# KiCad board Kimiro.kicad_pcb (continued)
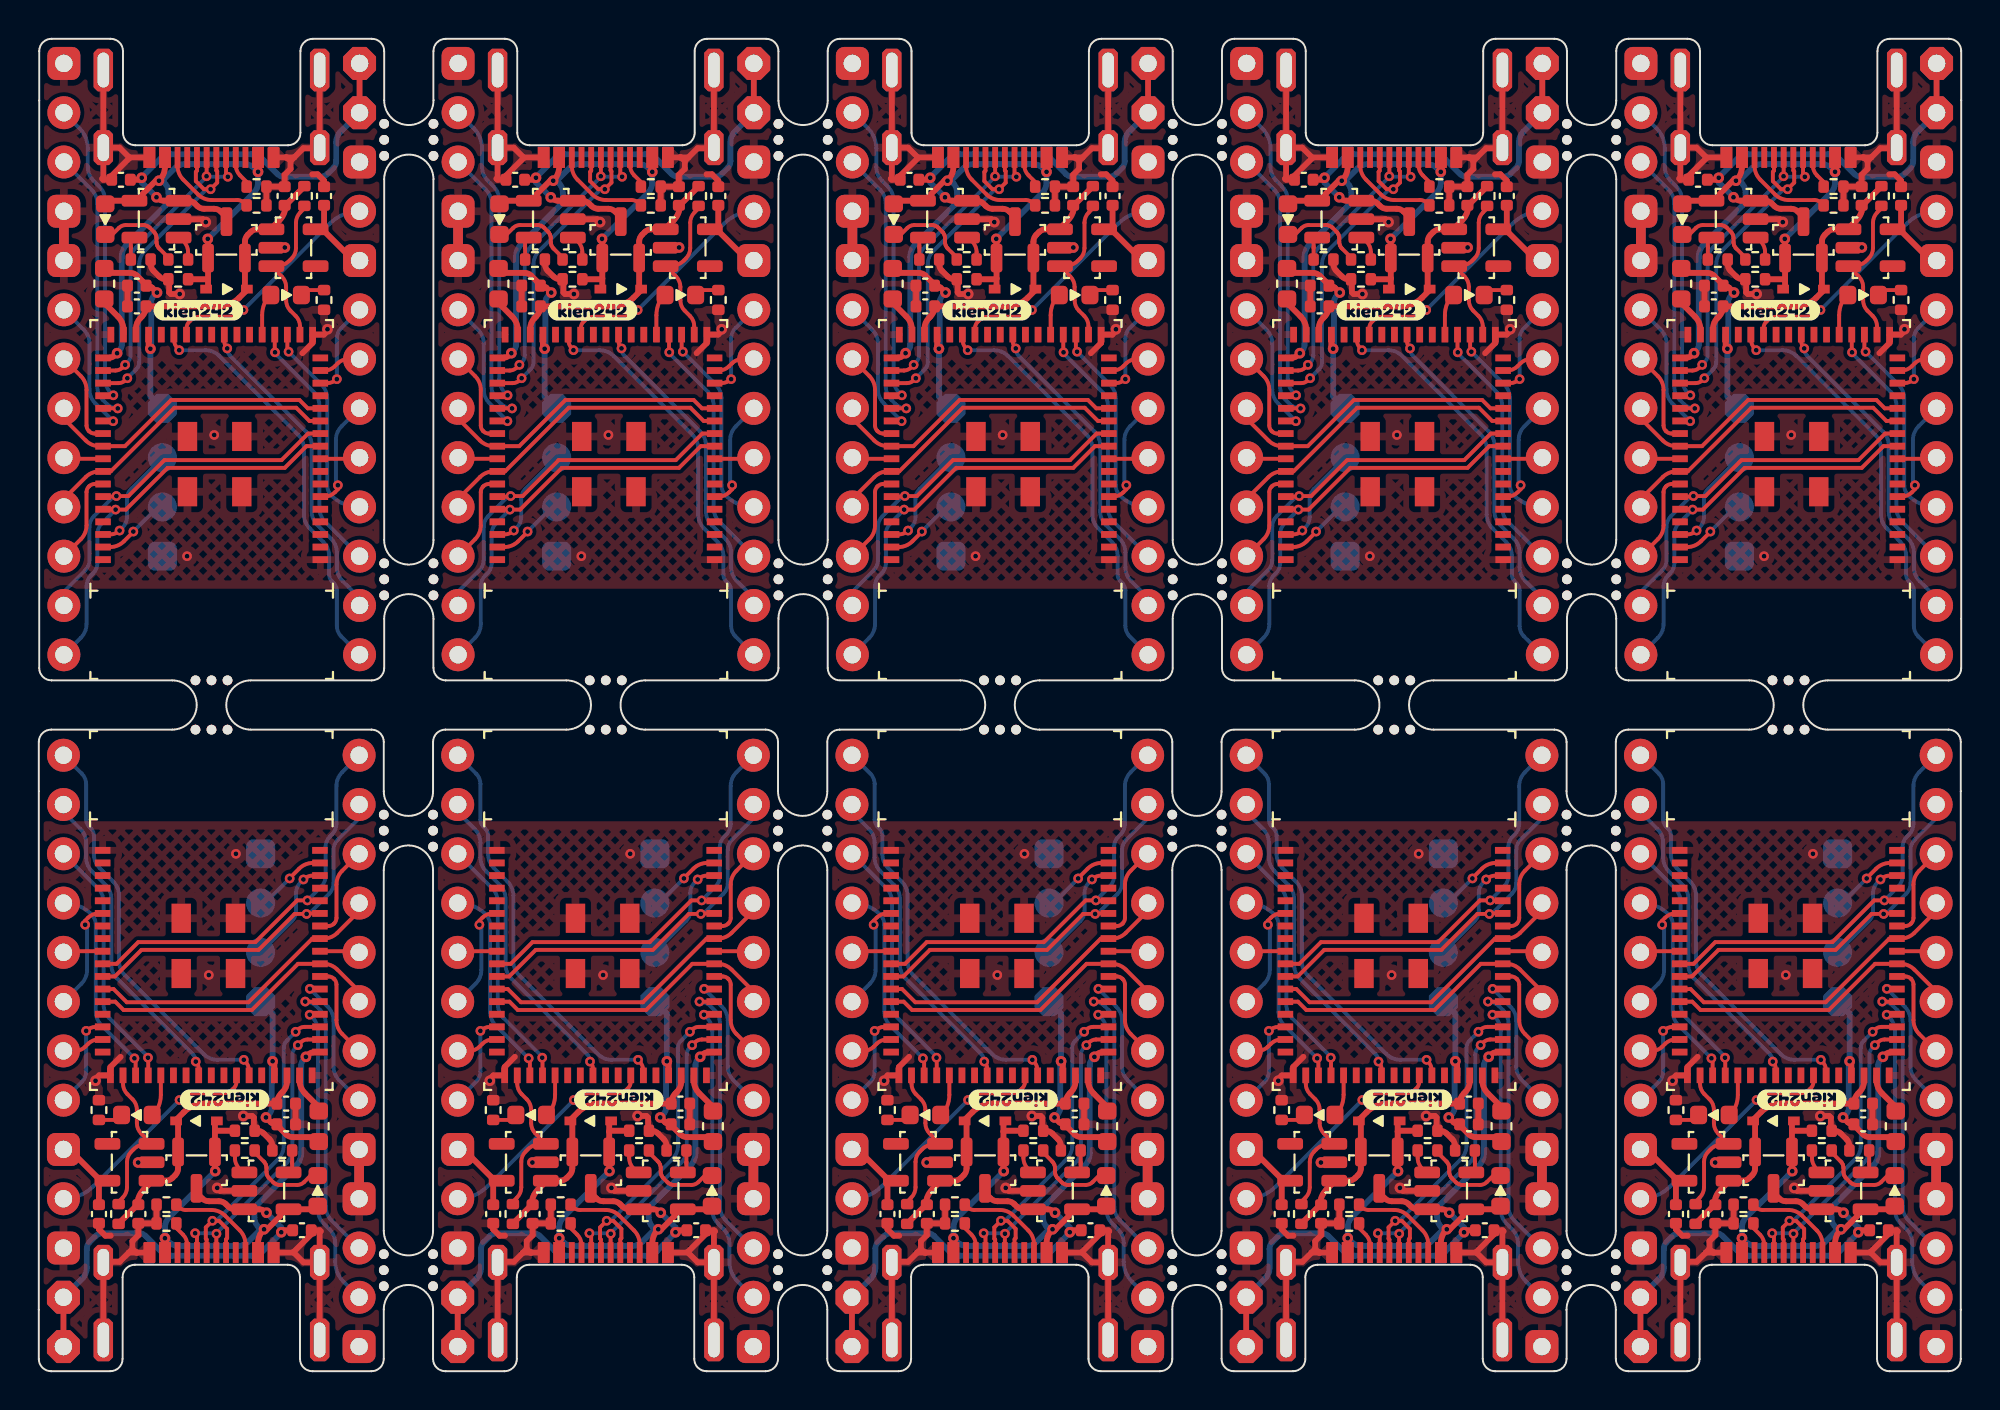
[diagram p0: board, top side]
## Routing (per net, layer and track width the routed paths; a pad name or vN(x,y) marks a point on that pad's centre or on a via; arc(x,y) is an arc through that point) (continued)
VDD: length 103.3
  Top w0.3: U25.31 86.94,52.8 v1(87.03,52.7) ; U18.31 73.1,15.89 v1(73.01,15.98) ; v1(5.75,52.7) 5.66,52.8 U3#2.31 ; v1(72.67,13.08) 72.67,13.08 72.93,12.83 arc(73.07,12.75) C32.1 73.23,12.68 73.7,12.21 arc(73.86,12.1) 74.05,12.07 75.16,12.07 L6.2 ; L2.2 34.52,12.07 33.41,12.07 arc(33.22,12.1) 33.06,12.21 32.59,12.68 C13.1 arc(32.43,12.75) 32.29,12.83 32.03,13.08 v1(32.03,13.08) ; v1(46.73,55.6) 46.73,55.6 46.47,55.86 arc(46.33,55.93) C23.1 46.17,56 45.7,56.47 arc(45.54,56.58) 45.35,56.62 44.24,56.62 L5.2 ; v1(87.37,55.6) 87.37,55.6 87.11,55.86 arc(86.97,55.93) C43.1 86.81,56 86.34,56.47 arc(86.18,56.58) 85.99,56.62 84.88,56.62 L9.2 ; L1#2.2 14.2,12.07 13.09,12.07 arc(12.9,12.1) 12.74,12.21 12.27,12.68 C7#2.1 arc(12.11,12.75) 11.97,12.83 11.71,13.08 v1(11.71,13.08) ; U7.31 25.98,52.8 v1(26.07,52.7) ; v1(92.99,13.08) 92.99,13.08 93.25,12.83 arc(93.39,12.75) C42.1 93.55,12.68 94.02,12.21 arc(94.18,12.1) 94.37,12.07 95.48,12.07 L8.2 ; U19.31 66.62,52.8 v1(66.71,52.7) ; v1(6.09,55.6) 6.09,55.6 5.83,55.86 arc(5.69,55.93) C7.1 5.53,56 5.06,56.47 arc(4.9,56.58) 4.71,56.62 3.6,56.62 L1.2 ; v1(12.05,15.98) 12.14,15.89 U3.31 ; L4.2 54.84,12.07 53.73,12.07 arc(53.54,12.1) 53.38,12.21 52.91,12.68 C22.1 arc(52.75,12.75) 52.61,12.83 52.35,13.08 v1(52.35,13.08) ; U12.31 52.78,15.89 v1(52.69,15.98) ; U24.31 93.42,15.89 v1(93.33,15.98) ; U6.31 32.46,15.89 v1(32.37,15.98) ; v1(46.39,52.7) 46.3,52.8 U13.31 ; v1(67.05,55.6) 67.05,55.6 66.79,55.86 arc(66.65,55.93) C33.1 66.49,56 66.02,56.47 arc(65.86,56.58) 65.67,56.62 64.56,56.62 L7.2 ; L3.2 23.92,56.62 25.03,56.62 arc(25.22,56.58) 25.38,56.47 25.85,56 C14.1 arc(26.01,55.93) 26.15,55.86 26.41,55.6 v1(26.41,55.6)
  Bottom w0.3: v1(52.35,13.08) 52.5,13.23 arc(52.61,13.4) 52.65,13.59 52.65,15.94 v1(52.69,15.98) 52.69,18.43 J13.4 ; v1(87.37,55.6) 87.22,55.45 arc(87.11,55.29) 87.07,55.09 87.07,52.75 v1(87.03,52.7) 87.03,50.25 J30.4 ; v1(26.41,55.6) 26.26,55.45 arc(26.15,55.29) 26.11,55.09 26.11,52.75 v1(26.07,52.7) 26.07,50.25 J6.4 ; J29.4 93.33,18.43 v1(93.33,15.98) 93.29,15.94 93.29,13.59 arc(93.25,13.4) 93.14,13.23 v1(92.99,13.08) ; J5.4 32.37,18.43 v1(32.37,15.98) 32.33,15.94 32.33,13.59 arc(32.29,13.4) 32.18,13.23 v1(32.03,13.08) ; v1(46.73,55.6) 46.58,55.45 arc(46.47,55.29) 46.43,55.09 46.43,52.75 v1(46.39,52.7) 46.39,50.25 J14.4 ; J21.4 73.01,18.43 v1(73.01,15.98) 72.97,15.94 72.97,13.59 arc(72.93,13.4) 72.82,13.23 v1(72.67,13.08) ; v1(67.05,55.6) 66.9,55.45 arc(66.79,55.29) 66.75,55.09 66.75,52.75 v1(66.71,52.7) 66.71,50.25 J22.4 ; v1(6.09,55.6) 5.94,55.45 arc(5.83,55.29) 5.79,55.09 5.79,52.75 v1(5.75,52.7) 5.75,50.25 J1#2.4 ; J1.4 12.05,18.43 v1(12.05,15.98) 12.01,15.94 12.01,13.59 arc(11.97,13.4) 11.86,13.23 v1(11.71,13.08)
VDDH: length 143.1
  Top w0.3: 66.82,9.82 66.37,9.37 arc(66.13,9) 66.04,8.57 65.08,7.62 64.97,7.62 ; U20.1 67.5,9.82 arc(67.69,9.86) 67.85,9.97 67.99,10.1 arc(68.1,10.27) 68.14,10.46 Q6.2 68.14,12.85 68.04,12.95 68.44,13.35 arc(68.92,13.68) 69.5,13.79 C34.1 arc(73.29,14.08) 73.45,14.32 73.53,14.4 arc(73.69,14.64) 73.75,14.93 U18.32 ; U6.32 33.11,14.93 arc(33.05,14.64) 32.89,14.4 32.81,14.32 arc(32.65,14.08) C15.1 28.86,13.79 arc(28.28,13.68) 27.8,13.35 27.4,12.95 27.5,12.85 Q2.2 27.5,10.46 arc(27.46,10.27) 27.35,10.1 27.21,9.97 arc(27.05,9.86) 26.86,9.82 U8.1 ; U24.32 94.07,14.93 arc(94.01,14.64) 93.85,14.4 93.77,14.32 arc(93.61,14.08) C44.1 89.82,13.79 arc(89.24,13.68) 88.76,13.35 88.36,12.95 88.46,12.85 Q8.2 88.46,10.46 arc(88.42,10.27) 88.31,10.1 88.17,9.97 arc(88.01,9.86) 87.82,9.82 U26.1 ; 11.94,58.86 12.39,59.32 arc(12.64,59.68) 12.72,60.11 13.68,61.06 13.79,61.06 ; 46.5,9.82 46.05,9.37 arc(45.81,9) 45.72,8.57 44.76,7.62 44.65,7.62 ; U14.1 47.18,9.82 arc(47.37,9.86) 47.53,9.97 47.67,10.1 arc(47.78,10.27) 47.82,10.46 Q4.2 47.82,12.85 47.72,12.95 48.12,13.35 arc(48.6,13.68) 49.18,13.79 C24.1 arc(52.97,14.08) 53.13,14.32 53.21,14.4 arc(53.37,14.64) 53.43,14.93 U12.32 ; U9.1 31.58,58.86 arc(31.39,58.82) 31.23,58.72 31.09,58.58 arc(30.98,58.41) 30.94,58.22 Q3.2 30.94,55.83 31.04,55.73 30.64,55.33 arc(30.16,55) 29.58,54.89 C16.1 arc(25.79,54.61) 25.63,54.36 25.55,54.28 arc(25.39,54.04) 25.33,53.75 U7.32 ; U15.1 51.9,58.86 arc(51.71,58.82) 51.55,58.72 51.41,58.58 arc(51.3,58.41) 51.26,58.22 Q5.2 51.26,55.83 51.36,55.73 50.96,55.33 arc(50.48,55) 49.9,54.89 C25.1 arc(46.11,54.61) 45.95,54.36 45.87,54.28 arc(45.71,54.04) 45.65,53.75 U13.32 ; 87.14,9.82 86.69,9.37 arc(86.45,9) 86.36,8.57 85.4,7.62 85.29,7.62 ; U25.32 86.29,53.75 arc(86.35,54.04) 86.51,54.28 86.59,54.36 arc(86.75,54.61) C45.1 90.54,54.89 arc(91.12,55) 91.6,55.33 92,55.73 91.9,55.83 Q9.2 91.9,58.22 arc(91.94,58.41) 92.05,58.58 92.19,58.72 arc(92.35,58.82) 92.54,58.86 U27.1 ; U4.1 6.54,9.82 arc(6.73,9.86) 6.89,9.97 7.03,10.1 arc(7.14,10.27) 7.18,10.46 Q1#2.2 7.18,12.85 7.08,12.95 7.48,13.35 arc(7.96,13.68) 8.54,13.79 C8.1 arc(12.33,14.08) 12.49,14.32 12.57,14.4 arc(12.73,14.64) 12.79,14.93 U3.32 ; 74.75,61.06 74.64,61.06 73.68,60.11 arc(73.6,59.68) 73.35,59.32 72.9,58.86 ; U19.32 65.97,53.75 arc(66.03,54.04) 66.19,54.28 66.27,54.36 arc(66.43,54.61) C35.1 70.22,54.89 arc(70.8,55) 71.28,55.33 71.68,55.73 71.58,55.83 Q7.2 71.58,58.22 arc(71.62,58.41) 71.73,58.58 71.87,58.72 arc(72.03,58.82) 72.22,58.86 U21.1 ; 54.43,61.06 54.32,61.06 53.36,60.11 arc(53.28,59.68) 53.03,59.32 52.58,58.86 ; U4#2.1 11.26,58.86 arc(11.07,58.82) 10.91,58.72 10.77,58.58 arc(10.66,58.41) 10.62,58.22 Q1.2 10.62,55.83 10.72,55.73 10.32,55.33 arc(9.84,55) 9.26,54.89 C8#2.1 arc(5.47,54.61) 5.31,54.36 5.23,54.28 arc(5.07,54.04) 5.01,53.75 U3#2.32 ; 95.07,61.06 94.96,61.06 94,60.11 arc(93.92,59.68) 93.67,59.32 93.22,58.86 ; 4.01,7.62 4.12,7.62 5.08,8.57 arc(5.17,9) 5.41,9.37 5.86,9.82 ; 26.18,9.82 25.73,9.37 arc(25.49,9) 25.4,8.57 24.44,7.62 24.33,7.62 ; 32.26,58.86 32.71,59.32 arc(32.96,59.68) 33.04,60.11 34,61.06 34.11,61.06
002: length 20.4
  Top w0.2: U19.9 77.43,47.03 J28.9 ; J11.9 21.65,21.65 U6.9 ; U3.9 1.33,21.65 J4.9 ; U25.9 97.75,47.03 J36.9 ; J12.9 36.79,47.03 U7.9 ; U3#2.9 16.47,47.03 J4#2.9 ; U12.9 41.97,21.65 J19.9 ; U24.9 82.61,21.65 J35.9 ; U13.9 57.11,47.03 J20.9 ; U18.9 62.29,21.65 J27.9
003: length 57
  Top w0.2: U7.6 35.05,45.08 arc(35.33,45.14) 35.58,45.3 35.73,45.46 v2(35.73,45.67) ; v2(56.05,45.67) 56.05,45.46 55.9,45.3 arc(55.65,45.14) 55.37,45.08 U13.6 ; U24.6 84.36,23.6 arc(84.07,23.54) 83.83,23.38 83.67,23.22 v2(83.67,23.01) ; v2(2.39,23.01) 2.39,23.22 2.55,23.38 arc(2.79,23.54) 3.08,23.6 U3.6 ; v2(15.41,45.67) 15.41,45.46 15.26,45.3 arc(15.01,45.14) 14.73,45.08 U3#2.6 ; v2(63.35,23.01) 63.35,23.22 63.51,23.38 arc(63.75,23.54) 64.04,23.6 U18.6 ; v2(22.71,23.01) 22.71,23.22 22.87,23.38 arc(23.11,23.54) 23.4,23.6 U6.6 ; v2(76.37,45.67) 76.37,45.46 76.22,45.3 arc(75.97,45.14) 75.69,45.08 U19.6 ; v2(96.69,45.67) 96.69,45.46 96.54,45.3 arc(96.29,45.14) 96.01,45.08 U25.6 ; v2(43.03,23.01) 43.03,23.22 43.19,23.38 arc(43.43,23.54) 43.72,23.6 U12.6
  Bottom w0.2: J4.8 2.2,19.98 arc(2.41,20.3) 2.49,20.68 2.49,22.91 v2(2.39,23.01) ; J28.8 76.56,48.71 arc(76.35,48.38) 76.27,48 76.27,45.77 v2(76.37,45.67) ; J19.8 42.84,19.98 arc(43.05,20.3) 43.13,20.68 43.13,22.91 v2(43.03,23.01) ; J36.8 96.88,48.71 arc(96.67,48.38) 96.59,48 96.59,45.77 v2(96.69,45.67) ; J4#2.8 15.6,48.71 arc(15.39,48.38) 15.31,48 15.31,45.77 v2(15.41,45.67) ; J12.8 35.92,48.71 arc(35.71,48.38) 35.63,48 35.63,45.77 v2(35.73,45.67) ; J20.8 56.24,48.71 arc(56.03,48.38) 55.95,48 55.95,45.77 v2(56.05,45.67) ; v2(83.67,23.01) 83.77,22.91 83.77,20.68 arc(83.69,20.3) 83.48,19.98 J35.8 ; J27.8 63.16,19.98 arc(63.37,20.3) 63.45,20.68 63.45,22.91 v2(63.35,23.01) ; v2(22.71,23.01) 22.81,22.91 22.81,20.68 arc(22.73,20.3) 22.52,19.98 J11.8
004: length 22
  Top w0.2: U19.16 75.69,51.58 arc(75.97,51.64) 76.22,51.8 76.37,51.95 arc(76.61,52.11) 76.9,52.17 J28.7 ; J19.7 42.51,16.51 arc(42.79,16.57) 43.04,16.73 43.19,16.88 arc(43.43,17.04) 43.72,17.1 U12.16 ; U3.16 3.08,17.1 arc(2.79,17.04) 2.55,16.88 2.4,16.73 arc(2.15,16.57) 1.87,16.51 J4.7 ; J36.7 97.22,52.17 arc(96.93,52.11) 96.69,51.95 96.54,51.8 arc(96.29,51.64) 96.01,51.58 U25.16 ; U7.16 35.05,51.58 arc(35.33,51.64) 35.58,51.8 35.73,51.95 arc(35.97,52.11) 36.26,52.17 J12.7 ; J11.7 22.19,16.51 arc(22.47,16.57) 22.72,16.73 22.87,16.88 arc(23.11,17.04) 23.4,17.1 U6.16 ; U18.16 64.04,17.1 arc(63.75,17.04) 63.51,16.88 63.36,16.73 arc(63.11,16.57) 62.83,16.51 J27.7 ; U24.16 84.36,17.1 arc(84.07,17.04) 83.83,16.88 83.68,16.73 arc(83.43,16.57) 83.15,16.51 J35.7 ; J20.7 56.58,52.17 arc(56.29,52.11) 56.05,51.95 55.9,51.8 arc(55.65,51.64) 55.37,51.58 U13.16 ; J4#2.7 15.94,52.17 arc(15.65,52.11) 15.41,51.95 15.26,51.8 arc(15.01,51.64) 14.73,51.58 U3#2.16
005: length 49.3
  Top w0.2: U3.15 2.94,17.75 arc(2.67,17.7) v2(2.44,17.54) ; U12.15 43.58,17.75 arc(43.31,17.7) v2(43.08,17.54) ; U19.15 75.82,50.93 arc(76.09,50.99) v2(76.32,51.14) ; U13.15 55.5,50.93 arc(55.77,50.99) v2(56,51.14) ; U6.15 23.26,17.75 arc(22.99,17.7) v2(22.76,17.54) ; U24.15 84.22,17.75 arc(83.95,17.7) v2(83.72,17.54) ; U3#2.15 14.86,50.93 arc(15.13,50.99) v2(15.36,51.14) ; U7.15 35.18,50.93 arc(35.45,50.99) v2(35.68,51.14) ; U25.15 96.14,50.93 arc(96.41,50.99) v2(96.64,51.14) ; U18.15 63.9,17.75 arc(63.63,17.7) v2(63.4,17.54)
  Bottom w0.2: v2(15.36,51.14) 15.36,53.23 arc(15.42,53.52) 15.58,53.76 J4#2.6 ; J27.6 63.18,14.92 arc(63.34,15.16) 63.4,15.45 v2(63.4,17.54) ; v2(56,51.14) 56,53.23 arc(56.06,53.52) 56.22,53.76 J20.6 ; v2(96.64,51.14) 96.64,53.23 arc(96.7,53.52) 96.86,53.76 J36.6 ; J35.6 83.5,14.92 arc(83.66,15.16) 83.72,15.45 v2(83.72,17.54) ; J28.6 76.54,53.76 arc(76.38,53.52) 76.32,53.23 v2(76.32,51.14) ; v2(2.44,17.54) 2.44,15.45 arc(2.38,15.16) 2.22,14.92 J4.6 ; v2(43.08,17.54) 43.08,15.45 arc(43.02,15.16) 42.86,14.92 J19.6 ; v2(35.68,51.14) 35.68,53.23 arc(35.74,53.52) 35.9,53.76 J12.6 ; v2(22.76,17.54) 22.76,15.45 arc(22.7,15.16) 22.54,14.92 J11.6
006: length 107.7
  Top w0.2: v2(12.87,52.55) 12.81,52.62 U3#2.20 ; v2(25.25,16.13) 25.31,16.07 U6.20 ; v2(86.21,16.13) 86.27,16.07 U24.20 ; U13.20 53.45,52.62 v2(53.51,52.55) ; v2(65.89,16.13) 65.95,16.07 U18.20 ; v2(94.15,52.55) 94.09,52.62 U25.20 ; v2(33.19,52.55) 33.13,52.62 U7.20 ; U3.20 4.99,16.07 v2(4.93,16.13) ; v2(45.57,16.13) 45.63,16.07 U12.20 ; U19.20 73.77,52.62 v2(73.83,52.55)
  Bottom w0.2: v2(45.57,16.13) 43.87,17.83 arc(43.65,18.15) 43.58,18.53 43.58,23.02 arc(43.52,23.3) 43.36,23.55 arc(42.71,23.98) 41.95,24.13 J19.10 ; v2(33.19,52.55) 34.89,50.86 arc(35.11,50.53) 35.18,50.15 35.18,45.67 arc(35.24,45.38) 35.4,45.14 arc(36.05,44.7) 36.81,44.55 J12.10 ; J27.10 62.27,24.13 arc(63.03,23.98) 63.68,23.55 arc(63.84,23.3) 63.9,23.02 63.9,18.53 arc(63.97,18.15) 64.19,17.83 v2(65.89,16.13) ; v2(94.15,52.55) 95.85,50.86 arc(96.07,50.53) 96.14,50.15 96.14,45.67 arc(96.2,45.38) 96.36,45.14 arc(97.01,44.7) 97.77,44.55 J36.10 ; v2(73.83,52.55) 75.53,50.86 arc(75.75,50.53) 75.82,50.15 75.82,45.67 arc(75.88,45.38) 76.04,45.14 arc(76.69,44.7) 77.45,44.55 J28.10 ; v2(12.87,52.55) 14.57,50.86 arc(14.79,50.53) 14.86,50.15 14.86,45.67 arc(14.92,45.38) 15.08,45.14 arc(15.73,44.7) 16.49,44.55 J4#2.10 ; J4.10 1.31,24.13 arc(2.07,23.98) 2.72,23.55 arc(2.88,23.3) 2.94,23.02 2.94,18.53 arc(3.01,18.15) 3.23,17.83 v2(4.93,16.13) ; v2(25.25,16.13) 23.55,17.83 arc(23.33,18.15) 23.26,18.53 23.26,23.02 arc(23.2,23.3) 23.04,23.55 arc(22.39,23.98) 21.63,24.13 J11.10 ; J35.10 82.59,24.13 arc(83.35,23.98) 84,23.55 arc(84.16,23.3) 84.22,23.02 84.22,18.53 arc(84.29,18.15) 84.51,17.83 v2(86.21,16.13) ; v2(53.51,52.55) 55.21,50.86 arc(55.43,50.53) 55.5,50.15 55.5,45.67 arc(55.56,45.38) 55.72,45.14 arc(56.37,44.7) 57.13,44.55 J20.10
008: length 166.3
  Top w0.2: U24.25 89.52,15.6 arc(89.48,15.79) 89.37,15.96 v2(89.37,15.96) ; v2(90.99,52.72) 90.99,52.73 arc(90.88,52.89) 90.84,53.08 U25.25 ; v2(9.71,52.72) 9.71,52.73 arc(9.6,52.89) 9.56,53.08 U3#2.25 ; v2(50.35,52.72) 50.35,52.73 arc(50.24,52.89) 50.2,53.08 U13.25 ; v2(70.67,52.72) 70.67,52.73 arc(70.56,52.89) 70.52,53.08 U19.25 ; U3.25 8.24,15.6 arc(8.2,15.79) 8.09,15.96 v2(8.09,15.96) ; v2(69.05,15.96) 69.05,15.96 arc(69.16,15.79) 69.2,15.6 U18.25 ; U6.25 28.56,15.6 arc(28.52,15.79) 28.41,15.96 v2(28.41,15.96) ; v2(30.03,52.72) 30.03,52.73 arc(29.92,52.89) 29.88,53.08 U7.25 ; v2(48.73,15.96) 48.73,15.96 arc(48.84,15.79) 48.88,15.6 U12.25
  Bottom w0.2: J36.12 97.81,39.86 96.94,40.73 arc(96.72,41.06) 96.64,41.44 96.64,42.2 arc(96.57,42.58) 96.35,42.91 95.64,43.62 arc(95.42,43.95) 95.34,44.33 95.34,47.73 arc(95.27,48.11) 95.05,48.43 91.14,52.35 arc(91.03,52.51) 90.99,52.7 v2(90.99,52.72) ; v2(50.35,52.72) 50.35,52.7 arc(50.39,52.51) 50.5,52.35 54.41,48.43 arc(54.63,48.11) 54.7,47.73 54.7,44.33 arc(54.78,43.95) 55,43.62 55.71,42.91 arc(55.93,42.58) 56,42.2 56,41.44 arc(56.08,41.06) 56.3,40.73 57.17,39.86 J20.12 ; v2(9.71,52.72) 9.71,52.7 arc(9.75,52.51) 9.86,52.35 13.77,48.43 arc(13.99,48.11) 14.06,47.73 14.06,44.33 arc(14.14,43.95) 14.36,43.62 15.07,42.91 arc(15.29,42.58) 15.36,42.2 15.36,41.44 arc(15.44,41.06) 15.66,40.73 16.53,39.86 J4#2.12 ; J4.12 1.27,28.83 2.15,27.95 arc(2.36,27.63) 2.44,27.24 2.44,26.48 arc(2.51,26.1) 2.73,25.77 3.44,25.06 arc(3.66,24.74) 3.74,24.35 3.74,20.95 arc(3.81,20.57) 4.03,20.25 7.94,16.34 arc(8.05,16.17) 8.09,15.98 v2(8.09,15.96) ; J11.12 21.59,28.83 22.47,27.95 arc(22.68,27.63) 22.76,27.24 22.76,26.48 arc(22.83,26.1) 23.05,25.77 23.76,25.06 arc(23.98,24.74) 24.06,24.35 24.06,20.95 arc(24.13,20.57) 24.35,20.25 28.26,16.34 arc(28.37,16.17) 28.41,15.98 v2(28.41,15.96) ; J19.12 41.91,28.83 42.79,27.95 arc(43,27.63) 43.08,27.24 43.08,26.48 arc(43.15,26.1) 43.37,25.77 44.08,25.06 arc(44.3,24.74) 44.38,24.35 44.38,20.95 arc(44.45,20.57) 44.67,20.25 48.58,16.34 arc(48.69,16.17) 48.73,15.98 v2(48.73,15.96) ; J35.12 82.55,28.83 83.43,27.95 arc(83.64,27.63) 83.72,27.24 83.72,26.48 arc(83.79,26.1) 84.01,25.77 84.72,25.06 arc(84.94,24.74) 85.02,24.35 85.02,20.95 arc(85.09,20.57) 85.31,20.25 89.22,16.34 arc(89.33,16.17) 89.37,15.98 v2(89.37,15.96) ; J12.12 36.85,39.86 35.98,40.73 arc(35.76,41.06) 35.68,41.44 35.68,42.2 arc(35.61,42.58) 35.39,42.91 34.68,43.62 arc(34.46,43.95) 34.38,44.33 34.38,47.73 arc(34.31,48.11) 34.09,48.43 30.18,52.35 arc(30.07,52.51) 30.03,52.7 v2(30.03,52.72) ; v2(70.67,52.72) 70.67,52.7 arc(70.71,52.51) 70.82,52.35 74.73,48.43 arc(74.95,48.11) 75.02,47.73 75.02,44.33 arc(75.1,43.95) 75.32,43.62 76.03,42.91 arc(76.25,42.58) 76.32,42.2 76.32,41.44 arc(76.4,41.06) 76.62,40.73 77.49,39.86 J28.12 ; v2(69.05,15.96) 69.05,15.98 arc(69.01,16.17) 68.9,16.34 64.99,20.25 arc(64.77,20.57) 64.7,20.95 64.7,24.35 arc(64.62,24.74) 64.4,25.06 63.69,25.77 arc(63.47,26.1) 63.4,26.48 63.4,27.24 arc(63.32,27.63) 63.11,27.95 62.23,28.83 J27.12
013: length 146.9
  Top w0.2: U25.39 85.35,49.63 v2(85.35,49.63) ; v2(74.69,19.05) 74.69,19.05 U18.39 ; v2(95.01,19.05) 95.01,19.05 U24.39 ; U12.39 54.37,19.05 v2(54.37,19.05) ; v2(13.73,19.05) 13.73,19.05 U3.39 ; U3#2.39 4.07,49.63 v2(4.07,49.63) ; v2(24.39,49.63) 24.39,49.63 U7.39 ; v2(34.05,19.05) 34.05,19.05 U6.39 ; U19.39 65.03,49.63 v2(65.03,49.63) ; U13.39 44.71,49.63 v2(44.71,49.63)
  Bottom w0.2: J3.3 15.08,7.78 arc(14.87,8.1) 14.79,8.49 14.79,17.91 arc(14.71,18.29) 14.5,18.62 14.3,18.82 arc(14.04,18.99) v2(13.73,19.05) ; J9.3 35.4,7.78 arc(35.19,8.1) 35.11,8.49 35.11,17.91 arc(35.03,18.29) 34.82,18.62 34.62,18.82 arc(34.36,18.99) v2(34.05,19.05) ; J33.3 96.36,7.78 arc(96.15,8.1) 96.07,8.49 96.07,17.91 arc(95.99,18.29) 95.78,18.62 95.58,18.82 arc(95.32,18.99) v2(95.01,19.05) ; J18.3 43.36,60.9 arc(43.58,60.58) 43.65,60.2 43.65,50.77 arc(43.73,50.39) 43.94,50.06 44.15,49.86 arc(44.4,49.69) v2(44.71,49.63) ; J17.3 55.72,7.78 arc(55.51,8.1) 55.43,8.49 55.43,17.91 arc(55.35,18.29) 55.14,18.62 54.94,18.82 arc(54.68,18.99) v2(54.37,19.05) ; J34.3 84,60.9 arc(84.22,60.58) 84.29,60.2 84.29,50.77 arc(84.37,50.39) 84.58,50.06 84.79,49.86 arc(85.04,49.69) v2(85.35,49.63) ; J26.3 63.68,60.9 arc(63.9,60.58) 63.97,60.2 63.97,50.77 arc(64.05,50.39) 64.26,50.06 64.47,49.86 arc(64.72,49.69) v2(65.03,49.63) ; J25.3 76.04,7.78 arc(75.83,8.1) 75.75,8.49 75.75,17.91 arc(75.67,18.29) 75.46,18.62 75.26,18.82 arc(75,18.99) v2(74.69,19.05) ; J3#2.3 2.72,60.9 arc(2.94,60.58) 3.01,60.2 3.01,50.77 arc(3.09,50.39) 3.3,50.06 3.51,49.86 arc(3.76,49.69) v2(4.07,49.63) ; J10.3 23.04,60.9 arc(23.26,60.58) 23.33,60.2 23.33,50.77 arc(23.41,50.39) 23.62,50.06 23.83,49.86 arc(24.08,49.69) v2(24.39,49.63)
015: length 72.3
  Top w0.2: U18.40 74.94,19.7 v2(74.93,19.71) ; U12.40 54.62,19.7 v2(54.61,19.71) ; v2(44.47,48.97) 44.46,48.98 U13.40 ; U3.40 13.98,19.7 v2(13.97,19.71) ; v2(95.25,19.71) 95.26,19.7 U24.40 ; v2(3.83,48.97) 3.82,48.98 U3#2.40 ; v2(34.29,19.71) 34.3,19.7 U6.40 ; v2(24.15,48.97) 24.14,48.98 U7.40 ; v2(64.79,48.97) 64.78,48.98 U19.40 ; v2(85.11,48.97) 85.1,48.98 U25.40
  Bottom w0.2: v2(3.83,48.97) 2.9,49.9 arc(2.69,50.22) 2.61,50.6 2.61,52.98 arc(2.54,53.36) 2.32,53.68 J3#2.6 ; J3.6 15.48,15 arc(15.27,15.32) 15.19,15.71 15.19,18.08 arc(15.11,18.46) 14.9,18.78 v2(13.97,19.71) ; J34.6 83.6,53.68 arc(83.82,53.36) 83.89,52.98 83.89,50.6 arc(83.97,50.22) 84.18,49.9 v2(85.11,48.97) ; J10.6 22.64,53.68 arc(22.86,53.36) 22.93,52.98 22.93,50.6 arc(23.01,50.22) 23.22,49.9 v2(24.15,48.97) ; v2(64.79,48.97) 63.86,49.9 arc(63.65,50.22) 63.57,50.6 63.57,52.98 arc(63.5,53.36) 63.28,53.68 J26.6 ; v2(74.93,19.71) 75.86,18.78 arc(76.07,18.46) 76.15,18.08 76.15,15.71 arc(76.23,15.32) 76.44,15 J25.6 ; v2(34.29,19.71) 35.22,18.78 arc(35.43,18.46) 35.51,18.08 35.51,15.71 arc(35.59,15.32) 35.8,15 J9.6 ; v2(54.61,19.71) 55.54,18.78 arc(55.75,18.46) 55.83,18.08 55.83,15.71 arc(55.91,15.32) 56.12,15 J17.6 ; J33.6 96.76,15 arc(96.55,15.32) 96.47,15.71 96.47,18.08 arc(96.39,18.46) 96.18,18.78 v2(95.25,19.71) ; v2(44.47,48.97) 43.54,49.9 arc(43.33,50.22) 43.25,50.6 43.25,52.98 arc(43.18,53.36) 42.96,53.68 J18.6
016: length 212.2
  Top w0.2: U24.29 92.12,15.47 arc(92.06,15.75) 91.9,16 v2(91.85,16.05) ; U7.29 27.28,53.22 arc(27.34,52.93) 27.5,52.69 v2(27.56,52.63) ; U3#2.29 6.96,53.22 arc(7.02,52.93) 7.18,52.69 v2(7.24,52.63) ; v2(47.88,52.63) 47.82,52.69 arc(47.66,52.93) 47.6,53.22 U13.29 ; v2(71.53,16.05) 71.58,16 arc(71.74,15.75) 71.8,15.47 U18.29 ; U12.29 51.48,15.47 arc(51.42,15.75) 51.26,16 v2(51.21,16.05) ; U3.29 10.84,15.47 arc(10.78,15.75) 10.62,16 v2(10.57,16.05) ; v2(30.89,16.05) 30.94,16 arc(31.1,15.75) 31.16,15.47 U6.29 ; U19.29 67.92,53.22 arc(67.98,52.93) 68.14,52.69 v2(68.2,52.63) ; U25.29 88.24,53.22 arc(88.3,52.93) 88.46,52.69 v2(88.52,52.63)
  Bottom w0.2: v2(91.85,16.05) 91.84,16.05 90.49,16.05 arc(90.1,16.13) 89.78,16.35 85.71,20.41 arc(85.49,20.74) 85.42,21.12 85.42,24.52 arc(85.34,24.9) 85.12,25.23 84.41,25.94 arc(84.19,26.26) 84.12,26.65 84.12,27.62 arc(84.08,27.81) 83.97,27.97 83.87,28.07 arc(83.76,28.24) 83.72,28.43 83.72,30.27 arc(83.66,30.56) 83.5,30.8 J35.13 ; J36.13 96.86,37.88 arc(96.7,38.13) 96.64,38.41 96.64,40.25 arc(96.6,40.44) 96.49,40.61 96.39,40.71 arc(96.28,40.87) 96.24,41.07 96.24,42.03 arc(96.17,42.42) 95.95,42.74 95.24,43.45 arc(95.02,43.78) 94.94,44.16 94.94,47.56 arc(94.87,47.94) 94.65,48.27 90.58,52.34 arc(90.26,52.55) 89.88,52.63 88.52,52.63 v2(88.52,52.63) ; v2(27.56,52.63) 27.56,52.63 28.92,52.63 arc(29.3,52.55) 29.62,52.34 33.69,48.27 arc(33.91,47.94) 33.98,47.56 33.98,44.16 arc(34.06,43.78) 34.28,43.45 34.99,42.74 arc(35.21,42.42) 35.28,42.03 35.28,41.07 arc(35.32,40.87) 35.43,40.71 35.53,40.61 arc(35.64,40.44) 35.68,40.25 35.68,38.41 arc(35.74,38.13) 35.9,37.88 J12.13 ; J20.13 56.22,37.88 arc(56.06,38.13) 56,38.41 56,40.25 arc(55.96,40.44) 55.85,40.61 55.75,40.71 arc(55.64,40.87) 55.6,41.07 55.6,42.03 arc(55.53,42.42) 55.31,42.74 54.6,43.45 arc(54.38,43.78) 54.3,44.16 54.3,47.56 arc(54.23,47.94) 54.01,48.27 49.94,52.34 arc(49.62,52.55) 49.24,52.63 47.88,52.63 v2(47.88,52.63) ; J28.13 76.54,37.88 arc(76.38,38.13) 76.32,38.41 76.32,40.25 arc(76.28,40.44) 76.17,40.61 76.07,40.71 arc(75.96,40.87) 75.92,41.07 75.92,42.03 arc(75.85,42.42) 75.63,42.74 74.92,43.45 arc(74.7,43.78) 74.62,44.16 74.62,47.56 arc(74.55,47.94) 74.33,48.27 70.26,52.34 arc(69.94,52.55) 69.56,52.63 68.2,52.63 v2(68.2,52.63) ; v2(51.21,16.05) 51.2,16.05 49.85,16.05 arc(49.46,16.13) 49.14,16.35 45.07,20.41 arc(44.85,20.74) 44.78,21.12 44.78,24.52 arc(44.7,24.9) 44.48,25.23 43.77,25.94 arc(43.55,26.26) 43.48,26.65 43.48,27.62 arc(43.44,27.81) 43.33,27.97 43.23,28.07 arc(43.12,28.24) 43.08,28.43 43.08,30.27 arc(43.02,30.56) 42.86,30.8 J19.13 ; v2(30.89,16.05) 30.88,16.05 29.53,16.05 arc(29.14,16.13) 28.82,16.35 24.75,20.41 arc(24.53,20.74) 24.46,21.12 24.46,24.52 arc(24.38,24.9) 24.16,25.23 23.45,25.94 arc(23.23,26.26) 23.16,26.65 23.16,27.62 arc(23.12,27.81) 23.01,27.97 22.91,28.07 arc(22.8,28.24) 22.76,28.43 22.76,30.27 arc(22.7,30.56) 22.54,30.8 J11.13 ; v2(71.53,16.05) 71.52,16.05 70.17,16.05 arc(69.78,16.13) 69.46,16.35 65.39,20.41 arc(65.17,20.74) 65.1,21.12 65.1,24.52 arc(65.02,24.9) 64.8,25.23 64.09,25.94 arc(63.87,26.26) 63.8,26.65 63.8,27.62 arc(63.76,27.81) 63.65,27.97 63.55,28.07 arc(63.44,28.24) 63.4,28.43 63.4,30.27 arc(63.34,30.56) 63.18,30.8 J27.13 ; v2(10.57,16.05) 10.56,16.05 9.21,16.05 arc(8.82,16.13) 8.5,16.35 4.43,20.41 arc(4.21,20.74) 4.14,21.12 4.14,24.52 arc(4.06,24.9) 3.84,25.23 3.13,25.94 arc(2.91,26.26) 2.84,26.65 2.84,27.62 arc(2.8,27.81) 2.69,27.97 2.59,28.07 arc(2.48,28.24) 2.44,28.43 2.44,30.27 arc(2.38,30.56) 2.22,30.8 J4.13 ; v2(7.24,52.63) 7.24,52.63 8.6,52.63 arc(8.98,52.55) 9.3,52.34 13.37,48.27 arc(13.59,47.94) 13.66,47.56 13.66,44.16 arc(13.74,43.78) 13.96,43.45 14.67,42.74 arc(14.89,42.42) 14.96,42.03 14.96,41.07 arc(15,40.87) 15.11,40.71 15.21,40.61 arc(15.32,40.44) 15.36,40.25 15.36,38.41 arc(15.42,38.13) 15.58,37.88 J4#2.13
017: length 49.5
  Top w0.2: U18.41 75.88,20.35 arc(76.04,20.32) 76.17,20.23 76.18,20.21 arc(76.27,20.08) 76.3,19.93 76.3,18.09 arc(76.38,17.71) 76.59,17.39 J25.7 ; J10.7 22.49,51.3 arc(22.7,50.97) 22.78,50.59 22.78,48.75 arc(22.81,48.6) 22.9,48.47 22.91,48.45 arc(23.04,48.36) 23.2,48.33 U7.41 ; U12.41 55.56,20.35 arc(55.72,20.32) 55.85,20.23 55.86,20.21 arc(55.95,20.08) 55.98,19.93 55.98,18.09 arc(56.06,17.71) 56.27,17.39 J17.7 ; U25.41 84.16,48.33 arc(84,48.36) 83.87,48.45 83.86,48.47 arc(83.77,48.6) 83.74,48.75 83.74,50.59 arc(83.66,50.97) 83.45,51.3 J34.7 ; J26.7 63.13,51.3 arc(63.34,50.97) 63.42,50.59 63.42,48.75 arc(63.45,48.6) 63.54,48.47 63.55,48.45 arc(63.68,48.36) 63.84,48.33 U19.41 ; J3.7 15.63,17.39 arc(15.42,17.71) 15.34,18.09 15.34,19.93 arc(15.31,20.08) 15.22,20.21 15.21,20.23 arc(15.08,20.32) 14.92,20.35 U3.41 ; U3#2.41 2.88,48.33 arc(2.72,48.36) 2.59,48.45 2.58,48.47 arc(2.49,48.6) 2.46,48.75 2.46,50.59 arc(2.38,50.97) 2.17,51.3 J3#2.7 ; J33.7 96.91,17.39 arc(96.7,17.71) 96.62,18.09 96.62,19.93 arc(96.59,20.08) 96.5,20.21 96.49,20.23 arc(96.36,20.32) 96.2,20.35 U24.41 ; U13.41 43.52,48.33 arc(43.36,48.36) 43.23,48.45 43.22,48.47 arc(43.13,48.6) 43.1,48.75 43.1,50.59 arc(43.02,50.97) 42.81,51.3 J18.7 ; J9.7 35.95,17.39 arc(35.74,17.71) 35.66,18.09 35.66,19.93 arc(35.63,20.08) 35.54,20.21 35.53,20.23 arc(35.4,20.32) 35.24,20.35 U6.41
019: length 159.7
  Top w0.2: U6.38 34.79,18.38 v2(34.28,18.38) ; v2(85.12,50.3) 84.61,50.3 U25.38 ; v2(74.92,18.38) 75.43,18.38 U18.38 ; U12.38 55.11,18.38 v2(54.6,18.38) ; U3.38 14.47,18.38 v2(13.96,18.38) ; v2(24.16,50.3) 23.65,50.3 U7.38 ; v2(95.24,18.38) 95.75,18.38 U24.38 ; v2(64.8,50.3) 64.29,50.3 U19.38 ; U3#2.38 3.33,50.3 v2(3.84,50.3) ; U13.38 43.97,50.3 v2(44.48,50.3)
  Bottom w0.2: v2(64.8,50.3) 64.66,50.44 arc(64.45,50.76) 64.37,51.15 64.37,60.36 arc(64.3,60.74) 64.08,61.07 63.78,61.37 arc(63.56,61.69) 63.49,62.08 63.49,63.03 arc(63.37,63.59) 63.06,64.07 J26.2 ; v2(54.6,18.38) 54.74,18.24 arc(54.95,17.92) 55.03,17.53 55.03,8.32 arc(55.11,7.94) 55.32,7.61 55.62,7.31 arc(55.84,6.99) 55.92,6.6 55.92,5.65 arc(56.03,5.09) 56.34,4.62 J17.2 ; J10.2 22.42,64.07 arc(22.73,63.59) 22.85,63.03 22.85,62.08 arc(22.92,61.69) 23.14,61.37 23.44,61.07 arc(23.66,60.74) 23.73,60.36 23.73,51.15 arc(23.81,50.76) 24.02,50.44 v2(24.16,50.3) ; v2(13.96,18.38) 14.1,18.24 arc(14.31,17.92) 14.39,17.53 14.39,8.32 arc(14.47,7.94) 14.68,7.61 14.98,7.31 arc(15.2,6.99) 15.28,6.6 15.28,5.65 arc(15.39,5.09) 15.7,4.62 J3.2 ; J18.2 42.74,64.07 arc(43.05,63.59) 43.17,63.03 43.17,62.08 arc(43.24,61.69) 43.46,61.37 43.76,61.07 arc(43.98,60.74) 44.05,60.36 44.05,51.15 arc(44.13,50.76) 44.34,50.44 v2(44.48,50.3) ; J3#2.2 2.1,64.07 arc(2.41,63.59) 2.53,63.03 2.53,62.08 arc(2.6,61.69) 2.82,61.37 3.12,61.07 arc(3.34,60.74) 3.41,60.36 3.41,51.15 arc(3.49,50.76) 3.7,50.44 v2(3.84,50.3) ; J25.2 76.66,4.62 arc(76.35,5.09) 76.24,5.65 76.24,6.6 arc(76.16,6.99) 75.94,7.31 75.64,7.61 arc(75.43,7.94) 75.35,8.32 75.35,17.53 arc(75.27,17.92) 75.06,18.24 v2(74.92,18.38) ; v2(34.28,18.38) 34.42,18.24 arc(34.63,17.92) 34.71,17.53 34.71,8.32 arc(34.79,7.94) 35,7.61 35.3,7.31 arc(35.52,6.99) 35.6,6.6 35.6,5.65 arc(35.71,5.09) 36.02,4.62 J9.2 ; v2(85.12,50.3) 84.98,50.44 arc(84.77,50.76) 84.69,51.15 84.69,60.36 arc(84.62,60.74) 84.4,61.07 84.1,61.37 arc(83.88,61.69) 83.81,62.08 83.81,63.03 arc(83.69,63.59) 83.38,64.07 J34.2 ; J33.2 96.98,4.62 arc(96.67,5.09) 96.56,5.65 96.56,6.6 arc(96.48,6.99) 96.26,7.31 95.96,7.61 arc(95.75,7.94) 95.67,8.32 95.67,17.53 arc(95.59,17.92) 95.38,18.24 v2(95.24,18.38)
020: length 158.2
  Top w0.2: J17.10 57.15,23.72 56.02,22.59 arc(55.7,22.38) 55.32,22.3 U12.44 54.73,22.3 51.45,19.02 45.17,19.02 44.49,19.7 U12.12 ; J10.10 21.61,44.96 22.74,46.09 arc(23.06,46.31) 23.45,46.38 24.03,46.38 27.31,49.66 33.59,49.66 34.27,48.98 U7.12 ; J33.10 97.79,23.72 96.66,22.59 arc(96.34,22.38) 95.96,22.3 U24.44 95.37,22.3 92.09,19.02 85.81,19.02 85.13,19.7 U24.12 ; U18.12 64.81,19.7 65.49,19.02 71.77,19.02 75.05,22.3 U18.44 75.64,22.3 arc(76.02,22.38) 76.34,22.59 77.47,23.72 J25.10 ; J26.10 62.25,44.96 63.38,46.09 arc(63.7,46.31) 64.09,46.38 64.67,46.38 67.95,49.66 74.23,49.66 74.91,48.98 U19.12 ; U6.12 24.17,19.7 24.85,19.02 31.13,19.02 34.41,22.3 U6.44 35,22.3 arc(35.38,22.38) 35.7,22.59 36.83,23.72 J9.10 ; J18.10 41.93,44.96 43.06,46.09 arc(43.38,46.31) 43.77,46.38 44.35,46.38 47.63,49.66 53.91,49.66 54.59,48.98 U13.12 ; U3#2.12 13.95,48.98 13.27,49.66 6.99,49.66 3.71,46.38 3.13,46.38 arc(2.74,46.31) 2.42,46.09 1.29,44.96 J3#2.10 ; J34.10 82.57,44.96 83.7,46.09 arc(84.02,46.31) 84.41,46.38 84.99,46.38 88.27,49.66 94.55,49.66 95.23,48.98 U25.12 ; U3.12 3.85,19.7 4.53,19.02 10.81,19.02 14.09,22.3 U3.44 14.68,22.3 arc(15.06,22.38) 15.38,22.59 16.51,23.72 J3.10